# Altium PCB eps-flight.PcbDoc (part 3 of 4)
Units mm, origin at the board's own origin, x right, y up, seen from the top; angles counter-clockwise.
Board outline 94.67 x 90.17 mm, 4 copper layers (Top Layer, GND, VCC, Bottom Layer), stack 0.778 mm thick; 267 components, 191 nets, 1098 pads, 693 vias.
Unrouted connection lines stored in the file: 8.
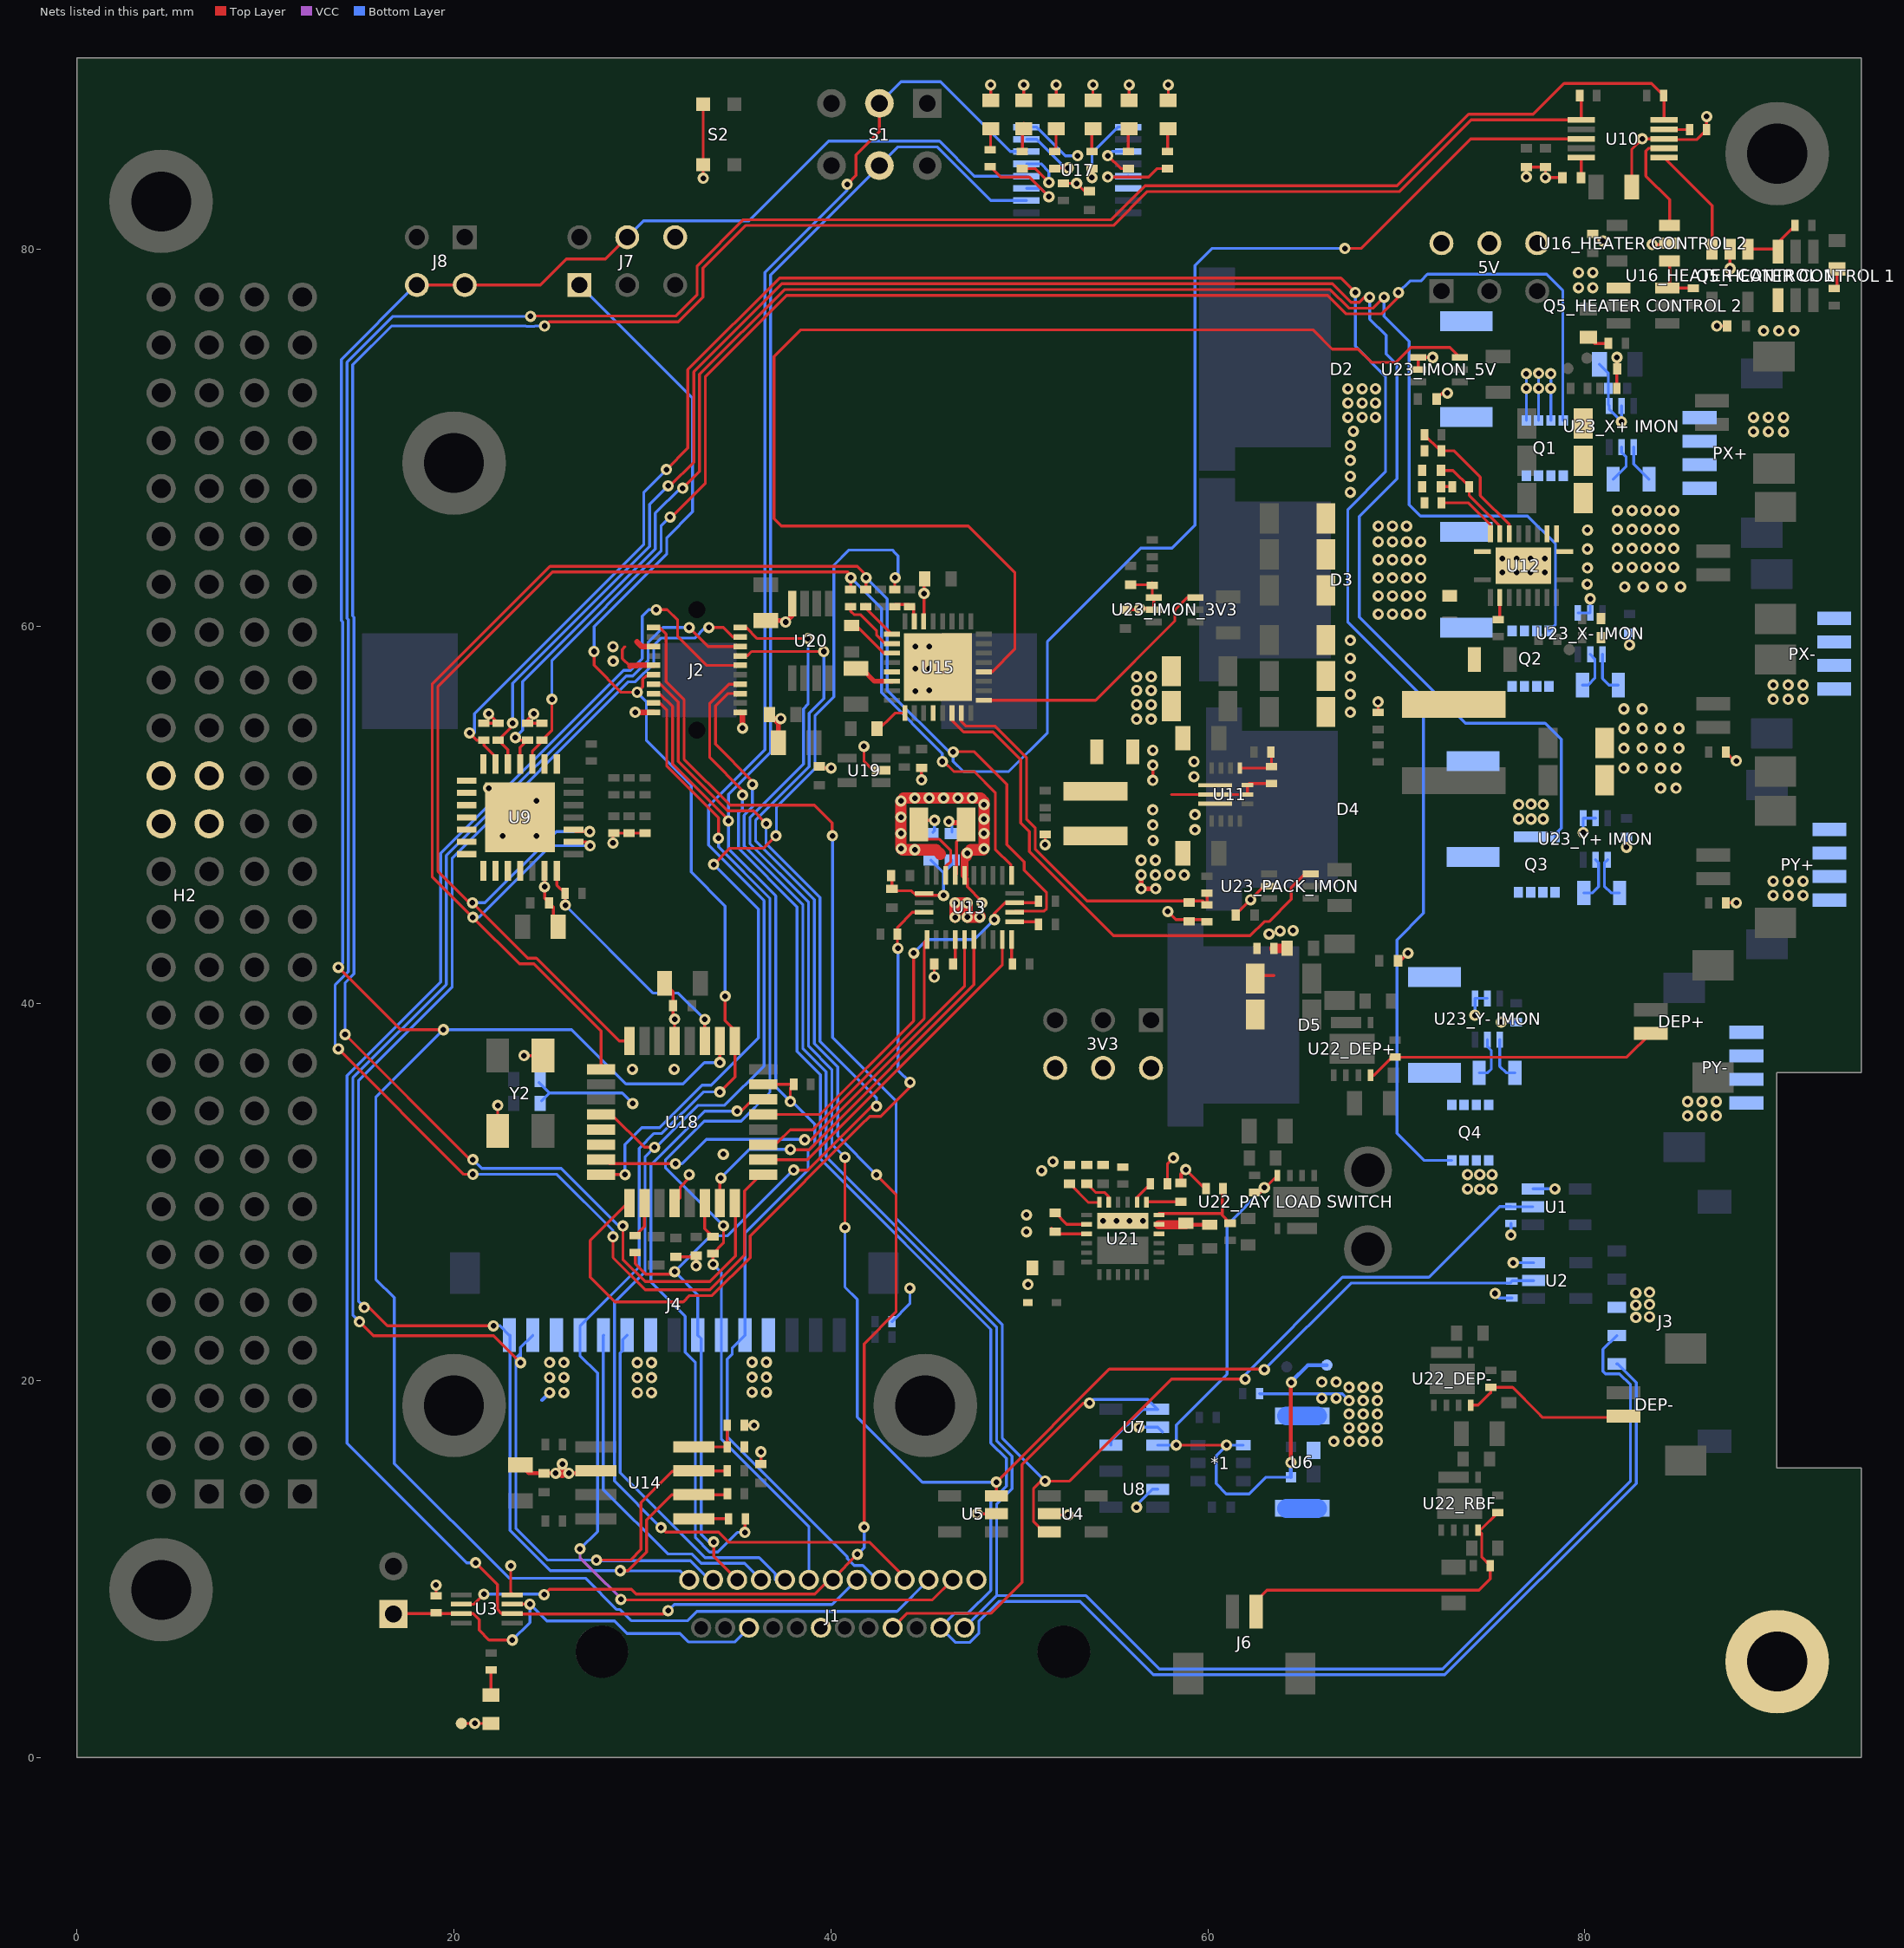
[diagram p5: the nets of this part, all layers, seen from the top]

## Via types
v1: diameter 0.6, hole 0.3, Top Layer to Bottom Layer, tented both sides, 693 vias

## Nets (pads, with @x,y where several pads share a name; then routed paths per layer and width w, separated by ;. In a path a pad name is that pad's centre, name@x,y a point inside that pad or via, vN(x,y) a via of type N, cw(c..) or ccw(c..) an arc to the next point about the centre after c; other vN are vias at no path point) (continued)
CANH: J1.12 J2.16 J4.14 R53.2 U14.7 | length 91.3
  Top Layer w0.152: v1(14.986,23.114) 15.733,22.367 22.11,22.367 v1(23.533,20.944) ; v1(27.559,10.465) 29.362,10.465 29.921,11.024 29.921,13.523 31.572,15.174 32.664,15.174 U14.7@32.727,15.201 R53.2@34.503,15.201 ; v1(32.48,59.944) 33.484,58.94 J2.16@35.19,58.94
  Bottom Layer w0.152: v1(14.986,23.114) 14.636,23.464 14.636,36.044 19.601,41.009 19.601,47.843 29.129,57.371 29.493,57.371 30.297,58.176 30.297,59.142 31.1,59.944 v1(32.48,59.944) ; v1(23.533,20.944) 23.533,21.746 ; J4.14@24.186,22.4 23.533,21.746 ; J1.12@33.75,9.42 33.558,9.42 32.543,10.435 27.589,10.435 v1(27.559,10.465) 24.981,10.465 23.283,12.163 23.283,21.174 23.515,21.405 23.515,21.729 23.533,21.746
CANL: J1.13 J2.18 J4.15 R49.2 U14.6 | length 84.8
  Top Layer w0.152: v1(15.24,23.876) 15.494,23.876 16.475,22.895 v1(22.098,22.895) ; v1(28.82,9.906) 29.235,9.906 30.226,10.897 30.226,12.604 31.554,13.931 U14.6@32.727,13.931 R49.2@34.503,13.931 ; v1(33.528,59.944) 34.286,59.944 34.79,59.44 J2.18@35.19,59.44
  Bottom Layer w0.152: v1(15.24,23.876) 15.24,23.89 14.941,24.19 14.941,35.918 19.905,40.883 19.905,47.717 29.255,57.066 29.619,57.066 30.602,58.05 30.602,59.015 30.972,59.385 32.766,59.385 33.325,59.944 v1(33.528,59.944) ; v1(22.098,22.895) 22.441,22.895 J4.15@22.936,22.4 22.979,22.4 22.979,12.036 25.109,9.906 v1(28.82,9.906) 28.829,9.897 31.986,9.897 32.022,9.86 32.04,9.86 J1.13@32.48,9.42
CLR_N: R28.1 U10.5 U18.25 | length 148.5
  Top Layer w0.152: v1(13.868,37.591) 20.522,30.937 v1(21,30.937) ; v1(24.058,76.454) 24.078,76.475 31.77,76.475 32.902,77.607 32.902,79.142 35.345,81.585 54.864,81.585 56.663,83.383 70.037,83.383 73.835,87.181 77.263,87.181 78.892,88.81 83.54,88.81 R28.1@84.18,88.17 84.199,88.151 U10.5@84.199,86.876 ; v1(28.437,27.624) 28.437,26.52 30.15,24.806 33.573,24.806 35.41,26.643 35.41,30.062 36.259,30.91 U18.25@36.407,30.91
  Bottom Layer w0.152: v1(13.868,37.591) 13.695,37.764 13.695,40.989 14.397,41.691 14.397,60.365 14.328,60.434 14.328,74.018 16.764,76.454 v1(24.058,76.454) ; v1(21,30.937) 25.458,30.937 28.437,27.958 v1(28.437,27.624)
COMP: C24.2 R41.2 U12.18 | length 5
  Top Layer w0.152: C24.2@72.363,68.28 73.004,68.28 R41.2@73.863,67.421 73.863,66.952 75.486,65.329 U12.18@75.486,64.912
"COMP_OUT_HEATER CONTROL 1": "Q5_HEATER CONTROL 1.3" "R65_HEATER CONTROL 1.1" "U16_HEATER CONTROL 1.1" | length 3.4
  Top Layer w0.152: 88.644,80.022 90.12,80.022 90.245,79.897 90.245,80.382 91.142,81.28
"COMP_OUT_HEATER CONTROL 2": "Q5_HEATER CONTROL 2.3" "R65_HEATER CONTROL 2.1" "U16_HEATER CONTROL 2.1" | length 2.9
  Top Layer w0.152: 84.494,79.387 84.494,78.083 84.37,77.959 85.641,77.959 85.75,77.85
CS_ADC: R75.1 U18.16 | length 47.8
  Top Layer w0.152: U18.16@27.807,30.91 27.82,30.923 v1(29.077,30.923) ; v1(33.782,47.379) 34.638,48.235 36.429,48.235 v1(37.084,48.889) ; R75.1@43.383,61.959 43.383,62.56 v1(43.409,62.586)
  Bottom Layer w0.152: v1(29.077,30.923) 29.077,32.512 29.972,33.407 30.909,33.407 33.164,35.662 33.654,35.662 36.153,38.161 36.153,45.008 v1(33.782,47.379) ; v1(37.084,48.889) 37.105,48.91 37.105,50.395 39.152,52.443 39.152,55.266 40.153,56.266 40.153,63.251 40.96,64.059 43.254,64.059 43.409,63.904 43.556,63.756 43.556,62.733 v1(43.409,62.586)
CS_N_R: R64.1 R75.2 U15.23 | length 1.9
  Top Layer w0.152: R75.2@43.383,61.17 44.171,61.17 44.241,61.1 44.384,61.1 44.394,61.09 44.394,60.304 U15.23@44.422,60.276
CS_PEX: R19.1 U9.7 U18.3 | length 13.1
  Top Layer w0.15: U9.7@25.46,47.036 25.46,46.275 R19.1@25.895,45.84 25.908,45.827 v1(25.908,45.212) ; U18.3@33.307,38.01 v1(33.307,39.15)
  Bottom Layer w0.15: v1(25.908,45.212) 30.571,40.549 31.908,40.549 v1(33.307,39.15)
D_GATE: "R84_PAY LOAD SWITCH.2" "U22_PAY LOAD SWITCH.4" *1.1 pad.11 U6.1 U7.3 | length 35.9
  Top Layer w0.15: v1(58.318,16.568) v1(60.99,16.568)
  Top Layer w0.152: 62.465,29.973 62.798,29.973 63.693,30.868
  Top Layer w0.2: v1(64.4,15.64) 64.402,15.642 64.402,19.66 64.42,19.677 v1(64.42,19.89)
  Bottom Layer w0.15: U7.3@57.34,16.568 v1(58.318,16.568)
  Bottom Layer w0.152: v1(58.318,16.568) 58.318,17.639 61.011,20.332 61.011,28.245 v1(62.992,30.226) ; *1.1@61.878,16.561 60.997,16.561 60.437,16 60.437,14.518 60.974,13.98 62.196,13.98 63.079,14.863 U6.1@64.4,14.863
  Bottom Layer w0.2: U6.1@64.4,14.863 v1(64.4,15.64) ; v1(64.42,19.89) 64.42,19.93 65.3,20.81 pad.11@66.31,20.81
D_GATE_BUFF: J1.17 U7.1 U7.4 | length 26.4
  Top Layer w0.152: J1.17@43.275,6.88 44.037,7.642 48.494,7.642 50.139,9.287 50.139,15.533 53.402,18.796 v1(53.719,18.796)
  Bottom Layer w0.152: v1(53.719,18.796) 53.919,18.997 56.812,18.997 U7.1@57.34,18.468 56.547,18.468 54.85,16.772 U7.4@54.85,16.568
DAC_REF1: "U16_HEATER CONTROL 1.3" U10.1 | length 5.9
  Top Layer w0.152: U10.1@84.199,84.876 86.744,82.331 86.744,80.022
DAC_REF2: "U16_HEATER CONTROL 2.3" U10.2 | length 5.5
  Top Layer w0.152: U10.2@84.199,85.376 83.393,85.376 83.238,85.221 83.238,83.902 84.494,82.646 84.494,81.287
DAC_VREF: C7.2 U10.10 | length 1.1
  Top Layer w0.152: C7.2@79.799,83.82 U10.10@79.799,84.876
DEP_LED: D1.1 R1.1 | length 1.3
  Top Layer w0.152: D1.1@21.965,3.3 R1.1@21.965,4.64
DIS_TRANS_UART: J1.23 P1.1 R2.1 U3.3 U3.7 | length 23.4
  Top Layer w0.152: P1.1@16.902,7.482 P1.1@16.786,7.598 16.815,7.627 18.898,7.627 18.901,7.624 U3.7@20.392,7.624 21.02,7.624 21.337,7.307 21.337,6.746 21.858,6.225 v1(23.1,6.225) ; U3.3@23.092,8.124 23.097,8.128 v1(24.028,8.128)
  Bottom Layer w0.152: v1(23.1,6.225) 24.028,7.153 v1(24.028,8.128) 24.921,7.236 28.518,7.236 29.179,6.575 32.001,6.575 32.458,6.118 34.893,6.118 J1.23@35.655,6.88
DRAIN: U6.3 U6.6 | length 3.3
  Bottom Layer w1: U6.3@64.175,13.208 U6.3@65.825,13.208 ; U6.6@64.175,18.118 U6.6@65.825,18.118
dVdt: C62.2 U21.15 | length 2
  Top Layer w0.152: C62.2@51.7,28.068 51.988,27.78 U21.15@53.574,27.78
EN/UVLO: R80.1 R81.2 U21.6 | length 5.5
  Top Layer w0.152: U21.6@57.399,28.78 57.399,28.861 60.759,28.861 ; R81.2@60.8,30.172 60.759,30.131 60.759,28.861 ; R80.1@61.177,28.336 60.759,28.754 60.759,28.861
EPS_MOSI_A/TX: J1.3 J7.4 J8.2 J8.4 U17.4 U18.2 | length 156.3
  Top Layer w0.152: v1(13.868,41.91) 17.17,38.608 v1(19.443,38.608) ; J8.4@18.034,78.117 J8.2@20.574,78.117 24.582,78.117 25.967,79.502 28.038,79.502 J7.4@29.193,80.657 ; v1(34.107,36.862) U18.2@34.107,38.01
  Bottom Layer w0.152: v1(13.868,41.91) 14.092,42.134 14.092,60.238 14.023,60.308 14.023,74.173 J8.4@17.971,78.122 ; J7.4@29.193,80.657 30.057,81.521 35.642,81.521 39.872,85.75 45.759,85.75 47.611,83.898 U17.4@50.374,83.898 ; v1(34.107,36.862) 33.287,36.862 32.151,35.726 29.123,35.726 26.241,38.608 v1(19.443,38.608) 15.855,35.021 15.855,25.37 16.835,24.39 16.835,15.589 22.918,9.507 26.982,9.507 28.644,7.845 28.809,7.845 29.401,7.253 32.402,7.253 32.891,7.743 43.503,7.743 J1.3@45.18,9.42
EPS_SCK_A/RX: J1.4 S1.2 U17.6 U18.12 | length 113.3
  Top Layer w0.152: U18.12@27.807,34.11 28.355,34.11 30.094,32.371 v1(30.637,32.371) ; v1(30.988,12.192) 31.221,11.959 34.035,11.959 34.584,11.409 42.069,11.409 43.91,9.568 J1.4@43.91,9.42 ; v1(40.857,83.462) 41.333,83.938 41.333,85.021 42.57,86.258 S1.2@42.57,87.757
  Bottom Layer w0.152: v1(30.988,12.192) 28.515,14.665 28.515,24.139 30.139,25.763 30.139,31.874 v1(30.637,32.371) 30.735,32.371 32.959,34.595 34.369,34.595 36.458,36.684 36.458,45.451 33.503,48.405 33.503,50.47 36.495,53.462 36.495,78.783 40.857,83.146 v1(40.857,83.462) ; S1.2@42.57,87.757 43.713,88.9 45.815,88.9 49.516,85.198 U17.6@50.374,85.198
FB: R32.1 R34.2 U11.11 | length 2.5
  Top Layer w0.152: U11.11@61.695,52.489 63.289,52.489 R34.2@63.373,52.573 63.373,53.307 R32.1@63.34,53.34
FB_BOOST: R39.1 R43.2 U12.17 | length 7.6
  Top Layer w0.152: R39.1@71.463,70.183 72.321,69.324 72.363,69.324 73.049,69.324 74.45,67.922 74.45,66.949 75.986,65.414 U12.17@75.986,64.912
G1: Q1.4 R14.2 U9.17 | length 80.3
  Top Layer w0.152: U9.17@24.16,52.706 24.16,53.401 24.668,53.909 R14.2@24.668,53.97 25.197,54.498 v1(25.197,56.134) ; v1(31.471,65.811) 31.547,65.811 33.337,67.602 33.337,73.26 37.649,77.572 66.361,77.572 67.347,76.586 69.205,76.586 70.104,77.484 v1(70.104,77.724)
  Bottom Layer w0.152: v1(25.197,56.134) 25.197,58.2 30.988,63.992 30.988,65.329 v1(31.471,65.811) ; v1(70.104,77.724) 70.714,78.334 71.293,78.334 71.648,78.689 77.968,78.689 78.823,77.834 78.823,70.958 Q1.4@78.842,70.939
G2: Q2.4 R13.2 U9.18 | length 89.3
  Top Layer w0.152: v1(23.252,54.108) 23.39,53.97 R13.2@23.906,53.97 23.51,53.574 U9.18@23.51,52.706 ; v1(32.131,67.335) 33.032,68.237 33.032,73.386 37.523,77.876 66.487,77.876 67.473,76.891 68.763,76.891 v1(69.342,77.47)
  Bottom Layer w0.152: v1(23.252,54.108) 23.643,54.498 23.643,57.077 30.683,64.118 30.683,66.013 32.006,67.335 v1(32.131,67.335) ; v1(69.342,77.47) 69.342,76.468 70.681,75.13 70.681,66.458 71.28,65.859 76.962,65.859 78.44,64.381 78.44,60.11 Q2.4@78.093,59.763
G3: Q3.4 R12.2 U9.19 | length 100.8
  Top Layer w0.152: U9.19@22.86,52.706 22.86,53.463 R12.2@22.353,53.97 23.114,54.731 v1(23.114,54.87) ; v1(31.364,67.462) 31.471,67.462 32.727,68.719 32.727,73.512 37.396,78.181 66.613,78.181 67.599,77.195 68.037,77.195 68.312,77.47 v1(68.58,77.47)
  Bottom Layer w0.152: v1(23.114,54.87) 23.114,56.98 30.378,64.244 30.378,66.476 v1(31.364,67.462) ; v1(68.58,77.47) 68.58,76.313 69.448,75.444 69.448,74.457 70.029,73.877 70.029,67.844 68.026,65.841 68.026,60.497 73.659,54.864 77.886,54.864 78.74,54.01 78.74,49.293 78.418,48.97 Q3.4@78.418,48.841
G4: Q4.4 R11.2 U9.20 | length 116.3
  Top Layer w0.152: v1(20.828,54.356) 20.828,54.346 21.204,53.97 R11.2@21.591,53.97 21.591,53.693 22.21,53.074 U9.20@22.21,52.706 ; v1(31.267,68.326) 32.41,69.469 32.41,73.626 37.27,78.486 67.056,78.486 v1(67.818,77.724)
  Bottom Layer w0.152: v1(20.828,54.356) 21.067,54.356 21.082,54.371 21.082,55.379 30.074,64.37 30.074,67.132 v1(31.267,68.326) ; v1(67.818,77.724) 67.818,74.87 69.419,73.269 69.419,68.197 67.416,66.194 67.416,60.244 71.436,56.225 71.436,44.784 70.023,43.371 70.023,33.101 71.447,31.677 Q4.4@72.939,31.677
GND: 3V3.2 3V3.4 3V3.6 5V.2 5V.4 5V.6 "C43_HEATER CONTROL 1.1" "C43_HEATER CONTROL 2.1" "C66_X+ IMON.1" "C66_X- IMON.1" "C66_Y+ IMON.1" "C66_Y- IMON.1" "Q5_HEATER CONTROL 1.4" "Q5_HEATER CONTROL 2.4" "U16_HEATER CONTROL 1.2" "U16_HEATER CONTROL 2.2" "U23_X+ IMON.1" "U23_X+ IMON.2" "U23_X- IMON.1" "U23_X- IMON.2" "U23_Y+ IMON.1" "U23_Y+ IMON.2" "U23_Y- IMON.1" "U23_Y- IMON.2" C2.1 C3.1 C4.1 C5.1 C6.1 C7.1 C8.1 C9.1 C10.1 C11.1 C12.1 C13.1 C14.1 C15.1 C16.1 C17.1 C18.1 C20.1 C21.1 C22.1 C23.1 C24.1 C25.1 C26.1 C27.1 C28.1 C29.1 C30.2 C31.1 C32.1 C33.1 C34.1 C35.1 C36.1 C37.1 C38.1 C39.1 C40.1 C41.1 C42.1 C44.1 C45.1 C46.1 C47.1 C48.1 C49.1 C50.1 C51.1 C52.1 C53.1 C54.1 C55.1 C56.1 C57.1 C58.1 C59.1 C60.1 C61.1 C62.1 C66_IMON_3V3.1 C66_IMON_5V.1 C66_PACK_IMON.1 C67.1 C68.1 C70.1 C71.1 C72.1 D1.2 D7.2 D8.2 D9.2 D10.2 D11.2 D12.2 D13.2 D14.2 H2.29 H2.30 H2.31 H2.32 J1.1 J1.20 J2.1 J2.2 J2.11 J2.15 J3.3 J4.4 J4.9 J4.13 J7.6 pad.3 pad.@90.2,5.08 PX+.3 PX+.4 PX-.3 PX-.4 PY+.3 PY+.4 PY-.3 PY-.4 Q1.1 Q2.1 Q3.1 Q4.1 R2.2 R4.1 R7.1 R11.1 R12.1 R13.1 R14.1 R24.1 R25.1 R26.1 R29.1 R34.1 R35.1 R42.1 R43.1 R44.1 R55.1 R56.1 R57.1 R61.1 R62.1 R63.1 R67.1 R81.1 R82.1 R83.1 R84.1 R85.1 R86.1 S2.2 U1.3 U2.3 U3.4 U4.2 U5.2 U6.5 U7.2 U8.2 U9.6 U9.29 U10.3 U11.2 U11.9 U11.10 U12.11 U12.12 U12.13 U12.20 U12.21 U13.2 U13.25 U14.2 U15.1 U15.4 U15.22 U15.27 U15.30 U15.33 U17.8 U18.5 U18.20 U19.2 U20.4 U21.4 U21.5 U21.14 U21.26 U23_IMON_3V3.1 U23_IMON_3V3.2 U23_IMON_5V.1 U23_IMON_5V.2 U23_PACK_IMON.2 Y2.2 Y2.4 | length 182.9
  Top Layer w0.152: R2.2@19.05,8.574 v1(19.05,9.144) ; pad.3@20.392,1.8 v1(21.104,1.8) D1.2@21.965,1.8 ; R11.1@21.591,54.87 R12.1@22.353,54.87 21.851,55.372 v1(21.844,55.372) ; Y2.2@22.323,33.234 v1(22.323,34.592) ; v1(23.012,10.16) 23.012,8.761 U3.4@23.121,8.653 ; U9.29@23.51,49.871 v1(24.384,50.745) 22.606,50.745 22.606,50.575 22.592,50.561 v1(22.592,48.889) v1(24.384,48.889) ; C36.1@23.523,15.516 C36.1@23.838,15.201 ; v1(23.719,37.234) Y2.4@24.723,37.234 ; v1(24.23,55.372) 23.906,55.048 R13.1@23.906,54.87 R14.1@24.668,54.87 ; U9.6@24.81,47.036 v1(24.81,46.192) 24.81,45.575 C4.1@25.045,45.34 25.271,45.114 25.271,44.336 C3.1@25.536,44.07 ; v1(28.437,48.514) 28.437,49.038 28.441,49.034 29.296,49.034 R24.1@30.139,49.034 ; 29.077,58.928 28.936,58.787 28.936,58.302 29.345,57.892 ; C45.1@31.175,41.072 31.625,40.622 C46.1@31.625,39.878 31.625,39.245 v1(31.707,39.163) U18.5@31.707,38.01 ; U18.20@31.707,29.41 32.003,29.707 32.003,30.255 32.48,30.732 v1(32.48,30.923) ; C47.1@31.778,26.556 32.795,26.556 C48.1@32.851,26.612 v1(32.851,26.08) ; v1(33.223,83.781) S2.2@33.223,84.506 S2.2@33.223,87.706 ; R55.1@35.403,17.614 v1(35.915,17.614) ; C38.1@36.284,15.566 v1(36.284,16.207) ; C51.1@39.377,52.583 39.466,52.494 v1(40.008,52.494) ; C41.1@40.994,60.18 41.202,60.18 42.791,58.591 U15.27@43.237,58.591 ; v1(41.751,53.638) 41.751,52.868 42.249,52.37 U19.2@42.657,52.37 ; C39.1@42.394,54.4 43.4,55.406 U15.1@43.922,55.406 ; C33.1@43.068,45.966 C33.1@43.078,45.977 ; C32.1@43.188,46.79 43.236,46.742 C33.1@43.236,46.078 ; C33.1@43.236,45.977 44.272,45.977 44.513,45.735 v1(45.974,45.735) ; v1(44.805,51.865) C52.1@44.805,52.5 ; U15.22@44.922,60.276 U15.22@44.939,60.293 ; U15.22@44.939,60.276 U15.22@44.939,60.293 ; C40.1@44.972,62.528 44.922,62.478 44.939,62.461 v1(44.939,61.749) U15.22@44.939,60.293 ; v1(45.48,41.402) C31.1@45.48,42.1 ; 47.237,46.634 47.237,46.195 48.006,45.426 v1(48.006,45.328) ; v1(47.751,12.924) U5.2@48.775,12.924 ; D7.2@48.476,87.916 v1(48.476,88.74) ; D8.2@50.229,87.916 v1(50.229,88.74) ; U4.2@51.365,12.954 51.456,12.863 v1(52.578,12.863) ; v1(51.365,48.426) R62.1@51.365,48.97 ; C62.1@51.896,28.894 52.51,28.28 U21.14@53.574,28.28 ; D9.2@51.949,87.916 v1(51.949,88.74) ; R67.1@52.34,83.508 v1(53.034,83.508) 53.444,83.098 C44.1@53.719,83.098 ; D10.2@53.9,87.916 v1(53.9,88.74) ; C66_IMON_3V3.1@55.626,60.898 56.326,60.898 v1(56.388,60.96) 57.053,60.96 U23_IMON_3V3.2@57.126,60.887 U23_IMON_3V3.1@57.126,61.537 57.048,61.615 R35.1@57.048,62.188 57.048,62.332 56.929,62.213 C15.1@55.905,62.213 ; D11.2@55.823,87.916 v1(55.823,88.74) ; R82.1@57.849,30.426 57.849,31.48 v1(58.173,31.804) ; v1(57.868,44.883) 58.308,44.443 59.835,44.443 R7.1@59.948,44.33 ; D12.2@57.895,87.916 v1(57.895,88.74) ; 58.064,51.089 U11.2@60.39,51.089 U11.9@62.095,51.089 U11.10@62.095,51.589 62.179,51.673 R34.1@63.373,51.673 ; v1(58.819,31.188) 59.835,30.172 R81.1@59.9,30.172 ; C66_PACK_IMON.1@61.476,44.883 61.625,44.883 v1@62.259,45.516 ; v1@62.259,45.635 v1@62.259,45.601 ; v1@62.295,45.565 v1@62.259,45.601 ; C70.1@62.84,41.478 63.495,41.478 ; U23_PACK_IMON.2@63.243,46.228 62.97,46.228 v1@62.259,45.516 ; R63.1@69.027,55.438 v1(69.027,55.997) ; C68.1@70.089,42.264 70.204,42.264 v1(70.612,42.672) ; U23_IMON_5V.2@71.159,73.629 U23_IMON_5V.1@71.159,74.279 v1(71.919,74.279) ; C66_IMON_5V.1@72.13,72.07 72.45,72.39 v1(72.7,72.39) ; v1(76.887,83.847) C5.1@76.887,84.376 C6.1@77.903,84.376 v1(77.903,83.82) C7.1@78.799,83.82 ; 80.416,80.837 80.799,80.454 v1(80.964,80.454) ; v1(81.694,74.279) 81.714,74.259 C30.2@81.714,73.66 81.694,73.64 R44.1@81.694,72.644 R44.1@81.756,72.644 ; C67.1@82.484,83.312 82.484,85.321 v1(83.039,85.876) U10.3@84.199,85.876 84.199,85.831 85.926,85.831 R29.1@86.454,86.36 v1(86.454,87.064) ; v1(83.566,80.264) 84.421,80.264 84.494,80.337 ; v1(86.998,75.946) 87.544,75.946 ; R57.1@87.47,45.34 v1(88.036,45.34) ; R56.1@87.47,53.34 87.933,52.878 v1(88.036,52.878) ; v1(87.694,78.994) 87.694,80.022 ; v1@62.259,45.516 v1@62.259,45.601
  Top Layer w0.2: C36.1@23.838,15.201 23.967,15.072 C37.1@24.79,15.072 v1(25.4,15.072) 25.747,15.072 v1(26.094,15.072) 27.398,15.072 U14.2@27.517,15.191 ; C61.1@58.572,30.473 58.572,30.941 v1(58.819,31.188) ; C56.1@58.826,28.332 58.901,28.257 D13.2@60.096,28.257
  Top Layer w0.25: C53.1@36.55,60.315 37.519,60.315 v1(37.596,60.237) 37.95,60.591 U20.4@37.95,61.214 ; C55.1@37.205,53.837 37.205,54.861 C54.1@36.733,55.332 36.773,55.372 37.027,55.118 v1(37.338,55.118) ; C42.1@41.333,57.775 41.628,57.775 42.312,57.091 U15.30@43.237,57.091 ; v1(56.451,46.819) v1(56.451,46.083) v1(57.223,46.083)
  Top Layer w0.3: 29.345,57.892 29.371,57.919 29.714,57.919 29.735,57.94 J2.11@30.59,57.94 ; v1(29.62,55.45) 30.58,55.45 J2.1@30.59,55.44 ; 29.718,59.182 29.96,58.94 J2.15@30.59,58.94 ; J2.2@35.19,55.44 35.306,55.324 v1(35.306,54.61)
  Top Layer w0.4: U13.25@47.09,46.79 47.09,47.828 v1@47.19,47.928
  Top Layer w0.5: 25.747,15.072 v1(25.747,15.562) ; U21.5@57.399,28.258 58.826,28.258 C56.1@58.826,28.332
  Top Layer w0.6: 45.805,47.921 45.573,48.153 v1(44.45,48.153) 43.792,48.153 v1(43.727,48.218) 43.715,48.229 v1(43.715,49.022) v1(43.715,49.885) v1(43.715,50.747) 43.858,50.89 v1(44.45,50.89) v1(45.212,50.89) v1(45.974,50.89) v1(46.736,50.89) v1(47.498,50.89) 47.945,50.89 48.12,50.716 v1(48.12,50.546) v1(48.12,49.784) v1(48.12,49.022) v1(48.12,48.203) 48.07,48.153 47.415,48.153 v1(47.235,47.973) 47.19,47.928 v1@47.19,47.828 ; v1(46.59,44.573) v1(46.59,45.331) v1(47.235,45.331) v1(47.235,44.582) v1(47.884,44.582) v1@47.914,44.612
  Bottom Layer w0.152: C49.1@24.522,35.796 25.064,35.255 ; C50.1@24.643,34.834 25.064,35.255 ; v1(29.483,34.696) 28.924,35.255 25.064,35.255 ; v1(40.008,52.494) v1@40.066,52.494 ; R61.1@43.236,23.114 44.19,24.067 v1(44.19,24.892) ; C35.1@45.3,47.606 45.974,46.932 ; v1(45.974,45.735) 45.974,46.932 ; C34.1@46.426,47.606 46.426,47.384 45.974,46.932 ; U17.8@50.374,86.498 50.923,86.498 52.443,84.978 v1(53.086,84.978) ; v1(56.21,13.274) 56.21,13.377 57.057,14.224 U8.2@57.34,14.224 ; v1(56.344,17.518) U7.2@57.34,17.518 U7.2@57.586,17.272 ; R4.1@62.745,19.304 62.766,19.283 67.142,19.283 v1@67.486,18.939 ; v1(74.168,39.37) 74.168,40.265 74.176,40.273 74.826,40.273 ; v1(75.235,24.613) 75.235,24.562 75.431,24.366 R85.1@76.124,24.366 ; v1(75.562,39.014) 76.354,39.014 ; v1(76.073,27.711) R84.1@76.073,28.33 ; v1(76.193,26.242) 77.265,26.242 U2.3@77.269,26.246 ; Q1.1@76.892,70.939 v1(76.892,72.644) v1(76.892,73.406) ; U1.3@77.237,30.162 v1(78.408,30.162) ; Q1.1@77.542,70.939 v1(77.542,72.644) v1(77.542,73.43) ; Q1.1@78.192,70.939 v1(78.192,72.644) v1(78.192,73.406) ; 79.63,60.721 80.28,60.721 v1(80.28,61.468) ; v1(79.908,49.064) 79.908,49.833 80.558,49.833 ; v1@79.991,65.256 v1(80.129,65.118) ; C72.1@80.764,73.914 81.244,73.434 81.244,72.644 81.244,71.758 81.29,71.712 81.29,71.516 v1(81.94,70.866) 81.94,71.712 ; v1(82.2,48.288) 82.2,48.825 ; v1(82.366,59.029) 82.366,59.662
  Bottom Layer w0.2: 24.672,18.952 v1(25.077,19.357)
  other v1: 66.677,16.764 67.486,16.764 68.236,16.764 68.986,16.764 67.486,17.489 68.236,17.489 68.986,17.489 67.486,18.214 68.236,18.214 68.986,18.214 67.486,18.924 68.237,18.924 68.988,18.924 66.04,19.05 66.802,19.05 25.831,19.357 29.725,19.352 30.48,19.352 35.814,19.376 36.569,19.376 67.486,19.634 68.237,19.634 68.988,19.634 66.04,19.912 66.802,19.912 25.077,20.153 25.831,20.153 29.725,20.148 30.48,20.148 35.814,20.172 36.569,20.172 25.077,20.949 25.831,20.949 29.725,20.944 30.48,20.944 35.814,20.968 36.569,20.968 82.703,23.346 83.426,23.38 82.703,23.996 83.426,24.03 82.703,24.646 83.426,24.68 50.455,25.092 50.372,27.886 54.436,28.455 55.141,28.455 55.846,28.455 56.551,28.455 50.372,28.78 73.772,30.161 74.422,30.137 75.072,30.161 73.772,30.923 74.422,30.923 75.072,30.923 51.179,31.124 51.776,31.609 34.29,32.004 85.446,34.036 86.208,34.036 86.97,34.036 85.446,34.791 86.208,34.791 86.97,34.791 29.464,36.51 31.686,36.51 63.246,43.688 63.83,43.84 64.516,43.866 62.259,45.5 89.984,45.735 90.78,45.735 91.576,45.735 89.984,46.49 90.78,46.49 91.576,46.49 57.213,46.819 57.978,46.819 58.74,46.819 56.451,47.6 57.213,47.6 76.49,49.784 77.14,49.784 77.79,49.784 76.49,50.546 77.79,50.546 77.14,50.57 21.844,51.427 84.014,51.427 84.836,51.427 82.064,52.481 83.039,52.481 84.014,52.481 84.836,52.489 82.064,53.536 83.039,53.536 84.014,53.536 84.988,53.536 82.064,54.591 83.039,54.591 84.014,54.591 84.988,54.591 56.21,55.085 56.991,55.085 67.554,55.45 82.064,55.626 83.039,55.626 56.21,55.847 56.991,55.847 89.984,56.141 90.78,56.141 91.576,56.141 67.554,56.403 44.486,56.575 45.212,56.609 56.21,56.609 56.991,56.609 89.984,56.896 90.78,56.896 91.576,56.896 56.21,57.335 56.991,57.335 67.554,57.356 44.486,57.775 45.212,57.775 28.448,58.166 67.554,58.309 28.437,58.928 44.486,58.928 45.212,58.928 67.554,59.263 69.04,60.662 69.788,60.662 70.537,60.662 71.286,60.662 69.04,61.621 69.788,61.621 70.537,61.621 71.286,61.621 82.106,62.105 83.094,62.105 84.082,62.105 85.071,62.105 80.117,62.24 69.04,62.579 69.788,62.579 70.537,62.579 71.286,62.583 75.617,62.873 76.367,62.873 77.118,62.873 77.867,62.873 80.129,63.11 81.716,63.141 82.504,63.141 83.238,63.141 83.972,63.141 84.707,63.141 69.04,63.538 69.788,63.538 70.537,63.538 71.286,63.546 75.617,63.598 76.367,63.598 77.117,63.598 77.867,63.598 80.129,64.114 81.716,64.145 82.504,64.145 83.238,64.145 83.972,64.145 84.707,64.145 69.04,64.496 69.788,64.496 70.537,64.496 71.286,64.496 81.716,65.149 82.504,65.149 83.238,65.149 83.972,65.149 84.707,65.149 69.04,65.33 69.788,65.33 70.537,65.33 81.716,66.154 82.504,66.154 83.238,66.154 83.972,66.154 84.707,66.154 67.554,67.122 67.554,67.969 67.554,68.815 67.554,69.596 88.942,70.34 89.738,70.34 90.534,70.34 67.716,70.358 67.425,71.095 68.187,71.095 68.89,71.095 88.942,71.095 89.738,71.095 90.534,71.095 67.425,71.857 68.187,71.857 68.89,71.857 67.425,72.62 68.187,72.62 68.89,72.62 89.484,75.692 90.284,75.692 91.084,75.692 79.656,77.978 80.416,77.978 79.656,78.778 80.416,78.778
GPA4: U9.21
GPA5: U9.22
GPA6: U9.23
GPA7: U9.24
GPB0: U9.25
GPB1: U9.26
GPB2: U9.27
GPB3: U9.28
GPB4: U9.1
GPB5: U9.2
GPB6: U9.3
GPB7: U9.4
GPIO: U15.29
I2C_SCL: J1.15 J2.8 J3.5 | length 110.8
  Top Layer w0.152: J2.8@35.19,56.94 34.582,56.94 33.569,55.926 33.569,53.045 35.306,51.308 v1(35.306,51.054)
  Bottom Layer w0.152: v1(35.306,51.054) 35.306,50.321 35.093,50.108 35.093,48.233 38.202,45.125 38.202,37.456 39.441,36.216 39.441,31.745 48.482,22.704 48.482,16.676 49.303,15.855 49.303,14.381 48.482,13.56 48.482,8.858 47.266,7.642 46.577,7.642 J1.15@45.815,6.88 46.596,6.1 47.383,6.1 47.847,6.564 47.847,7.211 48.913,8.277 53.216,8.277 57.112,4.381 72.57,4.381 82.721,14.532 82.721,19.897 81.742,20.876 J3.5@81.687,20.876
I2C_SDA: J1.14 J2.6 J3.4 | length 107.4
  Top Layer w0.152: J2.6@35.19,56.44 34.525,56.44 33.873,55.789 33.873,53.757 35.835,51.795 v1(35.835,51.616)
  Bottom Layer w0.152: v1(35.835,51.616) 35.835,50.418 35.398,49.982 35.398,48.359 38.506,45.251 38.506,37.615 39.746,36.375 39.746,31.872 48.787,22.831 48.787,16.802 49.608,15.981 49.608,14.254 48.787,13.433 48.787,8.582 ; J1.14@47.146,7.337 47.085,7.337 J1.14@47.085,6.88 48.787,8.582 ; J3.4@81.687,22.376 80.959,21.647 80.959,20.481 81.092,20.347 81.839,20.347 82.416,19.771 82.416,14.658 72.444,4.686 57.428,4.686 53.532,8.582 48.787,8.582
I_X+: "U23_X+ IMON.5" D2.1 D2.2 Q1.5 R15.2 | length 2.1
  Bottom Layer w0.152: R15.2@81.498,67.818 82.187,68.506 82.187,68.994 81.94,69.24 81.94,69.512
I_X+_R: "U23_X+ IMON.4" PX+.1 PX+.2 R15.1 | length 2
  Bottom Layer w0.152: 82.59,69.512 82.59,68.626 R15.1@83.398,67.818
I_X-: "U23_X- IMON.5" D3.1 D3.2 Q2.5 R16.2 | length 2.2
  Bottom Layer w0.152: R16.2@79.874,56.896 80.162,56.896 80.526,57.26 80.526,58.275 80.28,58.521
I_X-_R: "U23_X- IMON.4" PX-.1 PX-.2 R16.1 | length 2.3
  Bottom Layer w0.152: 80.93,58.521 80.93,57.246 81.28,56.896 R16.1@81.774,56.896
I_Y+: "U23_Y+ IMON.5" D4.1 D4.2 Q3.5 R17.2 | length 2.4
  Bottom Layer w0.152: R17.2@79.938,45.868 80.398,45.868 80.728,46.197 80.728,47.464 80.558,47.633
I_Y+_R: "U23_Y+ IMON.4" PY+.1 PY+.2 R17.1 | length 2.4
  Bottom Layer w0.152: 81.208,47.633 81.032,47.457 81.032,46.224 81.388,45.868 R17.1@81.838,45.868
I_Y-: "U23_Y- IMON.5" D5.1 D5.2 Q4.5 R18.2 | length 2.4
  Bottom Layer w0.152: R18.2@74.386,36.322 74.838,36.322 75.032,36.516 75.032,37.504 74.826,37.71 74.826,38.073
I_Y-_R: "U23_Y- IMON.4" PY-.1 PY-.2 R18.1 | length 2.4
  Bottom Layer w0.152: 75.476,38.073 75.476,36.661 75.816,36.322 R18.1@76.286,36.322
IL_BB: L1.2 R30.1
IL_BT: L2.2 R36.1
ILIM: R82.2 U21.8 | length 1.3
  Top Layer w0.152: U21.8@56.236,29.443 56.236,29.714 R82.2@56.949,30.426
ILIM_PAY: R42.2 U12.19 | length 3.6
  Top Layer w0.152: R42.2@72.388,66.562 73.822,66.562 74.986,65.398 U12.19@74.986,64.912
IMON_3V3: U15.9 U23_IMON_3V3.6 | length 13.8
  Top Layer w0.152: U15.9@48.107,56.091 54.036,56.091 58.243,60.298 58.243,60.874 58.907,61.537 U23_IMON_3V3.6@59.326,61.537
IMON_5V: U15.12 U23_IMON_5V.6 | length 67
  Top Layer w0.152: U15.12@48.107,57.591 48.549,57.591 49.754,58.795 49.754,62.868 47.293,65.329 37.369,65.329 36.984,65.713 36.984,72.898 36.984,74.321 38.406,75.743 65.57,75.743 66.592,74.721 67.967,74.721 68.671,74.017 69.973,74.017 70.764,74.807 72.83,74.807 U23_IMON_5V.6@73.359,74.279
IN6: U17.14
INTA: U9.16
INTB: U9.15
L1: L1.1 U11.3
  other v1: 57.085,48.65 59.313,49.217 57.081,49.471 59.313,50.017 57.075,50.271
L2: R30.2 U11.1 | length 0.8
  Top Layer w0.152: v1(57.075,52.64) 57.08,52.635 v1(57.08,51.84)
  other v1: 59.262,52.032 59.262,52.832 57.075,53.44
LBK: R52.2 U18.30 | length 32.4
  Top Layer w0.152: v1(35.02,34.29) 35.238,34.29 35.783,34.834 35.975,34.834 36.011,34.798 36.265,35.052 U18.30@36.407,34.91 ; v1(35.436,11.938) 35.436,12.636 R52.2@35.461,12.661
  Bottom Layer w0.152: v1(35.02,34.29) 33.303,34.29 30.444,31.431 30.444,25.215 32.265,23.395 32.265,21.498 32.811,20.953 32.811,11.654 33.563,10.901 34.001,10.901 35.038,11.938 v1(35.436,11.938)
LBK_R: R52.1 U14.5 | length 1.8
  Top Layer w0.152: U14.5@32.727,12.661 R52.1@34.561,12.661
LDAC_N: R29.2 U10.4 | length 1.4
  Top Layer w0.152: U10.4@84.199,86.376 84.215,86.36 R29.2@85.554,86.36
LDSTRT: C60.2 U21.12 | length 2
  Top Layer w0.152: C60.2@52.657,30.434 53.649,29.443 U21.12@54.236,29.443
LED1: D7.1 R68.1 | length 1.4
  Top Layer w0.152: R68.1@48.47,85.197 D7.1@48.47,86.637
LED2: D8.1 R69.1 | length 1.5
  Top Layer w0.152: R69.1@50.153,85.197 50.153,86.639 D8.1@50.222,86.708
LED3: D9.1 R70.1 | length 1.3
  Top Layer w0.152: R70.1@51.883,85.375 51.943,85.435 D9.1@51.943,86.637
LED4: D10.1 R71.1 | length 1.3
  Top Layer w0.152: R71.1@53.844,85.192 53.844,86.405 D10.1@53.893,86.454
LED5: D11.1 R72.1 | length 1.3
  Top Layer w0.152: R72.1@55.778,85.133 55.778,86.356 D11.1@55.817,86.395
LED6: D12.1 R73.1 | length 1
  Top Layer w0.152: R73.1@57.86,85.197 57.86,86.117 D12.1@57.888,86.146
MISO: R76.1 U9.10 U13.20 U18.8 | length 77.5
  Top Layer w0.152: U9.10@26.345,49.221 26.447,49.119 v1(27.196,49.119) ; U18.8@29.307,38.01 28.765,38.01 24.371,42.405 23.916,42.405 v1(20.98,45.34) 20.817,45.34 19.147,47.01 19.147,56.812 25.226,62.89 40.899,62.89 41.051,62.738 v1(41.051,62.586) 41.051,62.075 R76.1@41.046,62.07 ; v1(45.911,52.832) 45.993,52.832 46.522,52.303 47.614,52.303 48.718,51.199 48.718,48.179 49.551,47.346 49.551,46.829 U13.20@49.59,46.79
  Bottom Layer w0.152: v1(20.98,45.34) 21.651,45.34 25.43,49.119 v1(27.196,49.119) ; v1(41.051,62.586) 42.68,60.957 42.68,56.5 45.911,53.269 v1(45.911,52.832)
MISO_A: J1.2 J2.9 J4.12 J7.1 U18.1 | length 103.7
  Top Layer w0.152: v1(27.432,58.674) 27.432,57.94 28.86,56.512 v1(29.718,56.512) 30.011,56.805 30.011,57.204 30.191,57.384 30.59,57.384 J2.9@30.59,57.44 ; v1(28.854,8.382) 28.883,8.353 45.384,8.353 J1.2@46.45,9.42 ; v1(34.107,35.306) 34.907,36.106 U18.1@34.907,38.01 34.907,38.559 34.385,39.08 v1(34.385,40.386)
  VCC w0.152: v1(26.686,11.058) 26.686,10.59 27.34,9.936 27.343,9.936 28.854,8.425 v1(28.854,8.382)
  Bottom Layer w0.152: J7.1@26.653,78.117 32.66,72.111 32.66,66.086 31.293,64.719 31.293,63.865 27.432,60.005 v1(27.432,58.674) ; v1(26.686,11.058) 27.615,11.986 27.615,20.391 26.686,21.32 J4.12@26.686,22.4 26.686,22.868 29.835,26.016 29.835,32.316 30.621,33.102 31.035,33.102 33.239,35.306 v1(34.107,35.306) ; 29.968,56.762 v1(29.718,56.512) 30.205,56.024 30.205,53.96 32.583,51.583 32.583,46.969 34.385,45.166 v1(34.385,40.386)
MISO_R: R76.2 U15.26 | length 3.4
  Top Layer w0.152: R76.2@41.046,61.17 R76.2@41.046,61.059 41.046,60.808 41.224,60.63 41.568,60.63 42.425,59.773 42.425,59.53 42.864,59.091 U15.26@43.237,59.091
MOSI: R78.1 U9.9 U10.8 U13.17 U18.9 | length 142.8
  Top Layer w0.152: U9.9@26.345,48.571 27.02,48.571 v1(27.225,48.367) ; U18.9@27.807,36.51 27.807,38.538 24.244,42.1 23.473,42.1 v1(21,44.573) 18.843,46.73 18.843,56.938 25.099,63.195 41.402,63.195 41.859,62.738 v1(41.859,62.586) 41.859,62.082 R78.1@41.847,62.07 ; v1(46.482,53.34) 46.503,53.361 47.6,53.361 49.326,51.635 49.326,48.431 50.246,47.51 50.246,47.064 51.439,45.871 51.439,45.033 51.305,44.899 49.74,44.899 U13.17@49.74,44.84 ; v1(67.26,80.06) 68.122,80.06 73.938,85.876 U10.8@79.799,85.876
  Bottom Layer w0.152: v1(21,44.573) 21.315,44.573 25.109,48.367 v1(27.225,48.367) ; v1(41.859,62.586) 42.984,61.46 42.984,56.626 46.271,53.34 v1(46.482,53.34) 46.482,52.846 47.025,52.303 49.431,52.303 51.483,54.356 51.483,59.203 56.439,64.159 58.088,64.159 59.312,65.382 59.312,79.155 60.217,80.06 v1(67.26,80.06)
MOSI_R: R78.2 U15.25 | length 2.2
  Top Layer w0.152: R78.2@41.847,61.17 41.927,61.09 41.927,60.901 U15.25@43.237,59.591
NetC29_2: C29.2 R41.1 | length 0.6
  Top Layer w0.152: C29.2@72.363,67.421 R41.1@72.963,67.421
NetC31_2: C31.2 U13.9 | length 1.3
  Top Layer w0.152: C31.2@46.48,42.1 46.59,42.21 U13.9@46.59,43.39
NetC34_2: C34.2 U13.26 Y1.2 | length 5
  Top Layer w0.152: U13.26@46.59,46.79 46.662,46.861 46.662,48.26 46.665,48.263 46.665,48.581 46.767,48.683 46.767,49.538 46.376,49.538 v1(46.257,49.657) 47.049,49.657 Y1.2@47.168,49.538
  Bottom Layer w0.152: v1@46.255,49.649 v1@46.424,49.48 ; C34.2@46.426,49.081 v1@46.426,49.488
NetC35_2: C35.2 U13.27 Y1.1 | length 5.6
  Top Layer w0.152: Y1.1@44.39,49.471 45.148,48.714 45.759,48.714 46.357,48.117 46.357,47.54 46.09,47.273 U13.27@46.09,46.79 ; Y1.1@44.668,49.51 44.668,49.538 44.846,49.717 v1(45.497,49.717) v1@45.497,49.669
  Bottom Layer w0.152: C35.2@45.408,49.073 C35.2@45.495,49.16 ; C35.2@45.497,49.168 v1(45.497,49.717)
NetC61_2: C61.2 U21.7 | length 1.8
  Top Layer w0.152: U21.7@56.736,29.443 56.767,29.473 C61.2@58.572,29.473
NetC69_1: C69.1 R86.2 | length 0.7
  Top Layer w0.5: R86.2@63.497,42.926 C69.1@64.203,42.926
"NetD6_HEATER CONTROL 1_1": "D6_HEATER CONTROL 1.1" "R66_HEATER CONTROL 1.2" | length 1
  Top Layer w0.152: 93.37,77.972 93.37,78.973
"NetD6_HEATER CONTROL 2_1": "D6_HEATER CONTROL 2.1" "R66_HEATER CONTROL 2.2" | length 1.2
  Top Layer w0.152: 80.185,75.345 80.509,75.021 81.244,75.021
NetJ6_1: J6.1 R8.1 R84_RBF.2 U22_RBF.4 | length 17.8
  Top Layer w0.152: J6.1@62.553,7.738 62.553,8.299 63.124,8.87 74.387,8.87 74.978,9.461 R8.1@74.978,10.16 74.528,10.61 74.528,11.868 U22_RBF.4@74.334,12.062 74.458,12.062 R84_RBF.2@75.388,12.992
NetR37_2: R37.2 U12.3 | length 1.2
  Top Layer w0.152: R37.2@75.391,60.363 75.486,60.458 U12.3@75.486,61.542
NetR45_1: R45.1 U13.16 | length 1.4
  Top Layer w0.152: U13.16@49.74,44.34 51.01,44.34 R45.1@51.01,44.196
NetR46_1: R46.1 U13.15 | length 1.3
  Top Layer w0.152: U13.15@49.59,43.39 49.59,42.145 R46.1@49.635,42.1
NRTRY: C59.2 U21.11 | length 1.8
  Top Layer w0.152: C59.2@53.574,30.434 54.035,29.973 54.508,29.973 54.736,29.745 U21.11@54.736,29.443
OBC_MOSI_A/TX: J1.6 J2.12 U3.2 | length 90.2
  Top Layer w0.152: v1(21.156,10.321) 22.308,9.169 22.308,7.852 22.525,7.635 22.525,7.624 U3.2@23.092,7.624 23.117,7.6 31.095,7.6 31.282,7.787 v1(31.364,7.787) ; v1(30.734,60.89) 31.312,60.89 31.867,60.335 31.867,59.462 33.389,57.94 J2.12@35.19,57.94
  Bottom Layer w0.152: v1(21.156,10.321) 20.681,10.321 14.331,16.671 14.331,36.171 19.296,41.135 19.296,47.969 29.003,57.676 29.367,57.676 29.993,58.302 29.993,60.549 30.334,60.89 v1(30.734,60.89) ; v1(31.364,7.787) 31.682,8.105 40.055,8.105 J1.6@41.37,9.42 J1.6@41.178,9.42
OBC_SCK_A/RX: J1.7 J2.14 U3.6 | length 80.2
  Top Layer w0.152: U3.6@20.392,8.124 21.057,8.124 v1(21.59,8.657) ; v1(24.79,8.636) 25.065,8.911 29.41,8.911 29.663,8.658 39.146,8.658 39.908,9.42 J1.7@40.1,9.42 40.1,9.468 v1(41.402,10.77) ; J2.14@35.19,58.44 35.56,58.44 35.794,58.674 v1(39.624,58.674) ; v1(41.758,12.211) 41.758,21.931 43.455,23.628 43.455,29.874 v1(42.418,30.911)
  Bottom Layer w0.152: v1(21.59,8.657) 24.769,8.657 v1(24.79,8.636) ; v1(39.624,58.674) 39.624,56.168 38.848,55.392 38.848,52.569 36.008,49.729 36.008,48.612 39.116,45.503 39.116,37.867 40.356,36.627 40.356,32.973 v1(42.418,30.911) ; v1(41.402,10.77) 41.758,11.125 v1(41.758,12.211)
ON1: DEP+.2 R84_DEP+.2 U22_DEP+.4 | length 15.8
  Top Layer w0.152: U22_DEP+.4@68.627,36.192 68.814,36.192 69.784,37.162 R84_DEP+.2@69.93,37.162 ; R84_DEP+.2@69.93,37.149 82.23,37.149 DEP+.2@83.498,38.418
ON2: DEP-.2 R84_DEP-.2 U22_DEP-.4 | length 9.4
  Top Layer w0.152: U22_DEP-.4@73.941,18.684 74.325,18.684 74.965,19.324 75.009,19.324 R84_DEP-.2@75.009,19.634 76.161,19.634 77.47,18.325 77.761,18.034 81.98,18.034 DEP-.2@82.044,18.098
OUT1: R68.2 U17.3 | length 5.1
  Top Layer w0.152: R68.2@48.451,84.397 49.001,83.847 50.519,83.847 v1(51.562,82.804)
  Bottom Layer w0.152: U17.3@50.374,83.248 51.118,83.248 v1(51.562,82.804)
OUT2: R69.2 U17.5 | length 3.6
  Top Layer w0.152: R69.2@50.153,84.297 50.831,84.297 v1(51.562,83.566)
  Bottom Layer w0.152: U17.5@50.374,84.548 51.145,84.548 51.562,84.131 v1(51.562,83.566)
OUT3: R70.2 U17.7 | length 3.5
  Top Layer w0.152: R70.2@51.883,84.297 51.914,84.328 v1(52.578,84.328)
  Bottom Layer w0.152: U17.7@50.374,85.848 50.923,85.848 52.443,84.328 v1(52.578,84.328)
OUT4: R71.2 U17.9 | length 4.3
  Top Layer w0.152: R71.2@53.844,84.297 53.929,84.212 53.844,84.127 53.848,84.124 v1(53.848,83.82)
  Bottom Layer w0.152: v1(53.848,83.82) 53.848,85.12 55.226,86.498 U17.9@55.774,86.498
OUT5: R72.2 U17.11 | length 2.5
  Top Layer w0.152: v1(54.689,84.978) 55.369,84.297 R72.2@55.778,84.297
  Bottom Layer w0.152: v1(54.689,84.978) 54.696,84.978 54.916,85.198 U17.11@55.774,85.198
OUT6: R73.2 U17.13 | length 4.5
  Top Layer w0.152: v1(54.689,83.847) 56.855,83.847 57.305,84.297 R73.2@57.86,84.297
  Bottom Layer w0.152: v1(54.689,83.847) 55.723,83.847 U17.13@55.774,83.898
PACK_IMON: U15.6 U23_PACK_IMON.6 | length 28.4
  Top Layer w0.152: U15.6@46.422,55.406 46.439,55.388 46.439,55.012 46.736,54.716 47.042,54.41 48.59,54.41 50.07,52.93 50.07,49.581 50.532,49.119 50.532,48.062 54.996,43.597 62.236,43.597 62.982,44.344 63.236,44.344 64.425,45.533 64.425,46.145 65.158,46.878 U23_PACK_IMON.6@65.443,46.878
PACK_VMON: C2.2 R6.1 R7.2 U15.7 | length 20.7
  Top Layer w0.152: U15.7@46.922,55.406 46.922,54.961 47.168,54.715 48.716,54.715 50.374,53.057 50.374,49.784 50.836,49.322 50.836,48.188 53.581,45.443 59.01,45.443 59.735,45.443 R7.2@59.948,45.23 59.952,45.234 R6.1@59.952,45.854
PAY_MOSI_A/TX: J1.9 J4.10 | length 18.7
  Bottom Layer w0.152: J4.10@29.186,22.4 28.956,22.17 28.956,21.59 28.82,21.454 28.82,15.108 33.331,10.597 36.191,10.597 37.052,9.736 37.052,9.42 J1.9@37.56,9.42
PAY_SCK_A/RX: J1.10 J4.11 | length 18.6
  Bottom Layer w0.152: J4.11@27.936,22.4 27.919,22.383 27.919,14.212 31.337,10.795 32.614,10.795 33.117,10.292 35.419,10.292 J1.10@36.29,9.42
PB3: U13.11 U18.23 | length 21.4
  Top Layer w0.152: U18.23@34.107,29.41 34.107,30.684 v1(34.157,30.734) ; v1(37.846,32.258) 37.867,32.237 38.839,32.237 47.59,40.989 U13.11@47.59,43.39
  Bottom Layer w0.152: v1(34.157,30.734) 35.681,32.258 v1(37.846,32.258)
PB4: R27.1 U10.6 U18.24 | length 139.1
  Top Layer w0.152: v1(14.224,38.354) 20.864,31.714 v1(21,31.714) ; v1(24.81,75.946) 25.034,76.17 31.896,76.17 33.207,77.48 33.207,79.016 35.471,81.28 54.61,81.28 54.99,81.28 56.789,83.079 70.164,83.079 73.961,86.876 U10.6@79.799,86.876 79.799,88.071 79.811,88.083 R27.1@79.724,88.17 ; v1(28.956,28.194) 28.966,28.184 28.966,26.422 30.146,25.242 33.578,25.242 34.939,26.603 34.939,29.378 U18.24@34.907,29.41
  Bottom Layer w0.152: v1(14.224,38.354) 14.224,41.087 14.702,41.565 14.702,60.491 14.632,60.56 14.632,73.891 16.687,75.946 23.818,75.946 23.839,75.925 24.277,75.925 24.297,75.946 v1(24.81,75.946) ; v1(21,31.714) 21.472,31.242 25.699,31.242 28.747,28.194 v1(28.956,28.194)
PB5: U13.14 U18.26 | length 18.3
  Top Layer w0.152: U18.26@36.407,31.71 38.743,31.71 41.87,34.838 49.09,42.058 U13.14@49.09,43.39
PB6: U13.6 U18.27 | length 15.6
  Top Layer w0.15: U18.27@36.407,32.51 36.517,32.62 37.171,32.62 37.844,33.293 39.034,33.293 44.953,39.212 44.953,43.253 U13.6@45.09,43.39
PC4: R47.1 U13.4 U18.17 | length 38.2
  Top Layer w0.152: U18.17@29.307,29.41 29.216,29.41 27.225,27.419 27.225,25.48 28.536,24.169 32.165,24.169 32.498,24.502 33.7,24.502 35.715,26.517 35.715,27.664 41.567,33.516 42.062,34.011 42.633,34.011 44.196,35.574 v1(44.196,35.814) ; v1@43.528,42.926 R47.1@43.528,43.688 43.528,44.046 44.322,44.84 U13.4@44.94,44.84
  Bottom Layer w0.152: v1(43.555,42.926) 43.555,36.455 v1(44.196,35.814)
PD0: R48.1 U13.18 U18.29 | length 21.6
  Top Layer w0.15: U18.29@36.407,34.11 39.424,34.11 44.39,39.077 v1(44.39,42.672)
  Top Layer w0.152: v1(48.666,44.45) 48.666,44.766 49.24,45.34 U13.18@49.74,45.34 50.923,45.34 R48.1@51.01,45.428
  Bottom Layer w0.152: v1(44.39,42.672) 45.108,43.39 47.606,43.39 v1(48.666,44.45)
PD5: U18.13
PD6: U18.14
PD7: U13.10 U18.15 | length 25.9
  Top Layer w0.152: U18.15@27.807,31.71 27.919,31.822 28.245,31.496 v1(31.75,31.496) ; v1(38.608,32.766) 38.936,32.766 47.09,40.92 U13.10@47.09,43.39
  Bottom Layer w0.152: v1(31.75,31.496) 32.096,31.496 33.387,32.787 38.587,32.787 v1(38.608,32.766)
R_OBC: R10.2 U18.22 | length 2
  Top Layer w0.152: U18.22@33.307,29.41 33.307,28.057 R10.2@33.738,27.626
R_PAY: R9.2 U18.18 | length 1.9
  Top Layer w0.152: R9.2@29.62,27.686 30.107,28.173 U18.18@30.107,29.41
RELEASE_A: J2.20 R85.2 U2.2 U5.3 | length 91.3
  Top Layer w0.152: J2.20@35.19,59.94 35.513,59.94 36.093,59.36 v1(38.786,59.36) ; v1(40.742,28.118) v1(40.742,31.84) ; U5.3@48.775,13.874 v1(48.775,14.6) 54.77,20.595 62.971,20.595 v1(62.992,20.574)
  Bottom Layer w0.152: v1(38.786,59.36) 38.786,55.875 38.543,55.632 38.543,52.695 35.703,49.855 35.703,48.485 38.811,45.377 38.811,37.741 40.051,36.501 40.051,32.53 v1(40.742,31.84) ; v1@40.691,28.092 40.716,28.118 v1(40.742,28.118) 40.742,24.955 41.402,24.294 41.402,18.056 44.858,14.6 v1(48.775,14.6) ; v1(62.992,20.574) 67.583,25.165 76.023,25.165 R85.2@76.124,25.266 76.154,25.296 U2.2@77.269,25.296
RELEASE_B: J2.19 R84.2 U1.2 U4.3 | length 92.4
  Top Layer w0.152: J2.19@30.59,59.94 30.913,59.94 31.257,59.596 31.257,57.074 32.206,56.125 32.206,52.969 34.654,50.522 39.115,50.522 40.064,49.573 40.064,48.907 v1(40.081,48.889) ; U4.3@51.587,11.972 51.274,11.972 50.748,12.498 50.748,14.267 51.138,14.656 v1(51.365,14.656) 52.657,14.656 58.067,20.066 v1(61.976,20.066)
  Bottom Layer w0.152: v1(40.081,48.889) 40.081,38.195 43.457,34.819 43.457,28.592 49.092,22.957 49.092,16.929 v1(51.365,14.656) ; v1(61.976,20.066) 61.976,20.306 67.14,25.469 71.723,25.469 75.484,29.23 R84.2@76.073,29.23 76.091,29.212 U1.2@77.237,29.212
RS: R54.1 R55.2 U14.8 | length 2.9
  Top Layer w0.152: U14.8@32.727,16.471 R54.1@34.503,16.471 R55.2@34.503,17.614
RS_IN: R54.2
RST_EPS: J1.5 J2.5 J4.5 R74.1 S1.5 U17.2 U18.31 | length 106.3
  Top Layer w0.152: J2.5@30.59,56.44 30.913,56.44 31.597,55.757 31.597,52.717 34.565,49.749 v1(34.565,49.689) ; U18.31@36.407,35.71 R74.1@38.025,35.71 37.846,35.532 v1(37.846,34.798)
  Bottom Layer w0.152: v1(37.846,34.798) 37.067,35.577 37.067,45.703 34.565,48.206 v1(34.565,49.689) 34.565,51.101 36.8,53.336 36.8,78.657 42.57,84.428 S1.5@42.57,84.455 43.561,85.446 45.633,85.446 48.48,82.598 U17.2@50.374,82.598 ; v1@38.029,34.705 39.137,33.598 39.137,32.547 38.791,32.201 38.791,31.177 35.436,27.823 J4.5@35.436,22.4 34.765,21.729 34.765,21.405 34.491,21.132 34.491,17.016 40.873,10.634 40.873,10.551 41.242,10.182 41.686,10.182 42.448,9.42 J1.5@42.64,9.42
RST_OBC: J1.8 J2.3 J4.6 R10.1 | length 56.3
  Top Layer w0.152: J2.3@30.59,55.94 30.913,55.94 31.292,55.562 31.292,52.591 34.036,49.846 v1(34.036,48.768) ; v1(33.75,26.162) 33.738,26.175 R10.1@33.738,26.726 34.299,27.288 v1(34.299,28.205)
  Bottom Layer w0.152: v1(33.75,26.162) 34.186,25.726 J4.6@34.186,22.4 34.186,16.89 38.83,12.246 J1.8@38.83,9.42 ; v1(34.036,48.768) 34.036,48.304 36.763,45.577 36.763,35.285 35.239,33.761 33.268,33.761 31.221,31.715 31.221,31.277 34.294,28.205 v1(34.299,28.205)
RST_PAY: J1.11 J2.7 J4.7 R9.1 | length 63.5
  Top Layer w0.152: R9.1@29.62,26.786 29.62,26.199 30.179,25.64 31.576,25.64 v1(31.707,25.77) ; J2.7@30.59,56.94 30.96,56.94 31.901,55.999 31.901,52.843 34.527,50.217 35.899,50.217 v1(36.576,49.54) ; v1(33.782,11.43) 33.782,10.658 J1.11@35.02,9.42 ; v1(38.025,31.159) 38.779,31.159 42.164,34.544 v1(42.418,34.544)
  Bottom Layer w0.152: v1(33.782,11.43) 33.528,11.43 33.115,11.843 33.115,22.221 J4.7@32.936,22.4 32.936,24.541 v1(31.707,25.77) 33.612,27.676 34.518,27.676 38.001,31.159 v1(38.025,31.159) ; v1(36.576,49.54) 36.555,49.519 36.555,48.495 39.421,45.63 39.421,37.993 42.418,34.996 v1(42.418,34.544)